# Altium PCB vf_v2.PcbDoc (part 1 of 2)
Units mil, origin at the board's own origin, x right, y up, seen from the top; angles counter-clockwise.
Board outline 5611.02 x 3251.03 mil, 2 copper layers (Top Layer, Bottom Layer); 147 components, 137 nets, 507 pads, 430 vias.
Unrouted connection lines stored in the file: 1.
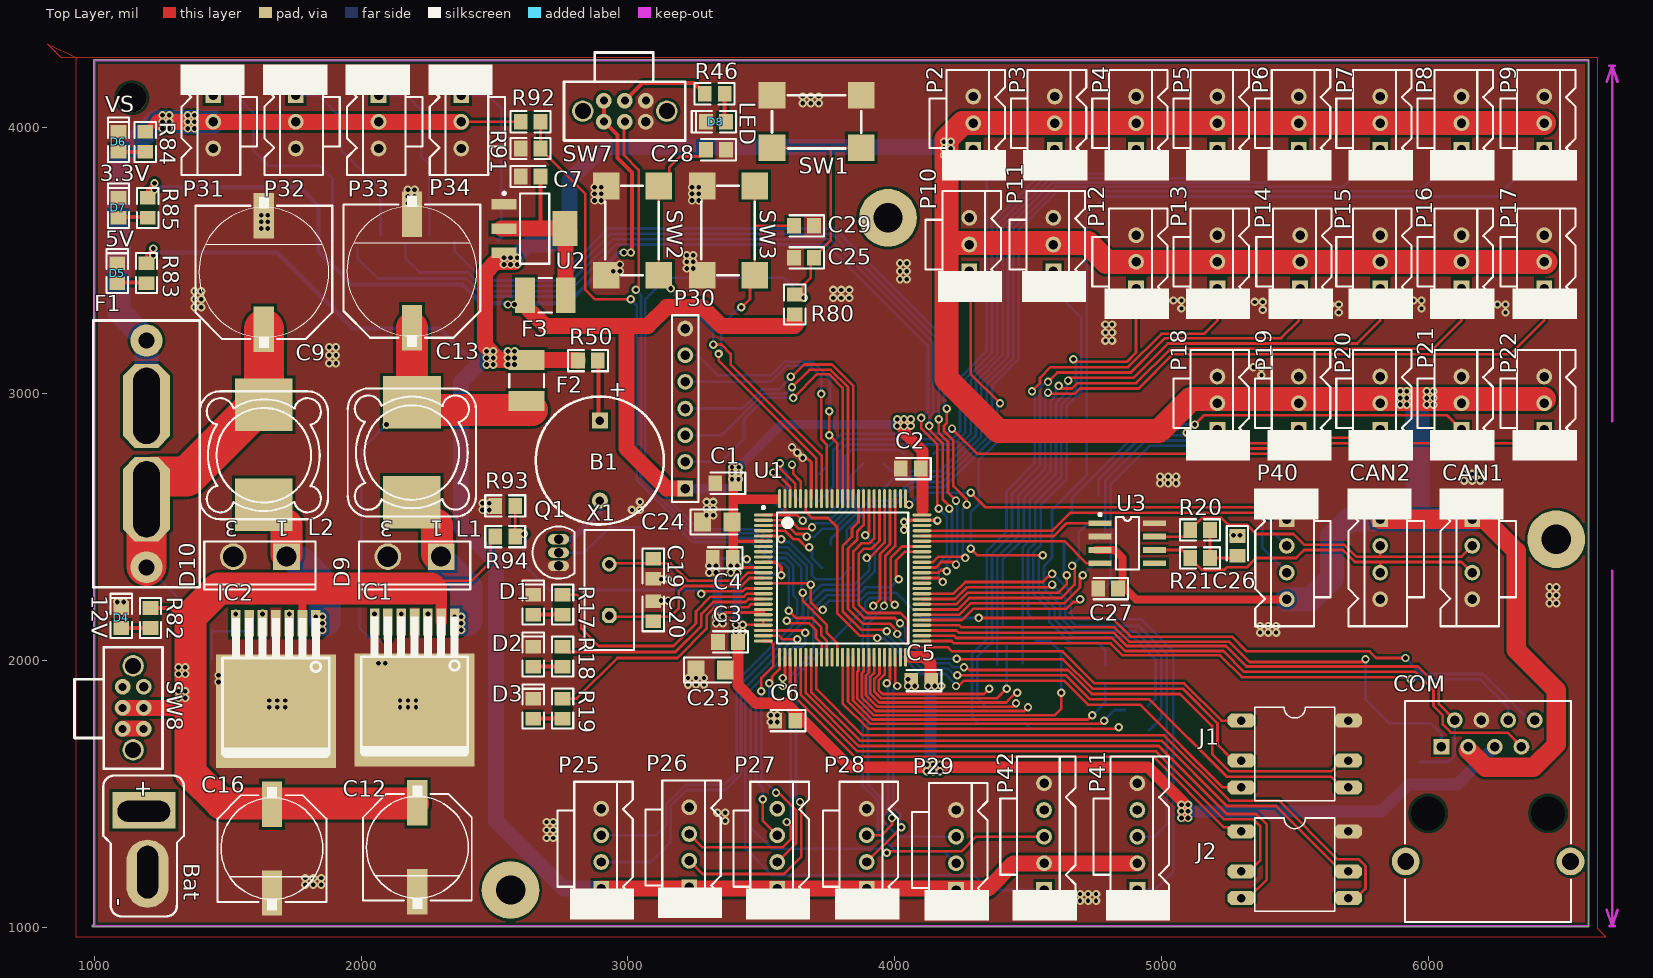
[diagram p0: Top Layer view]
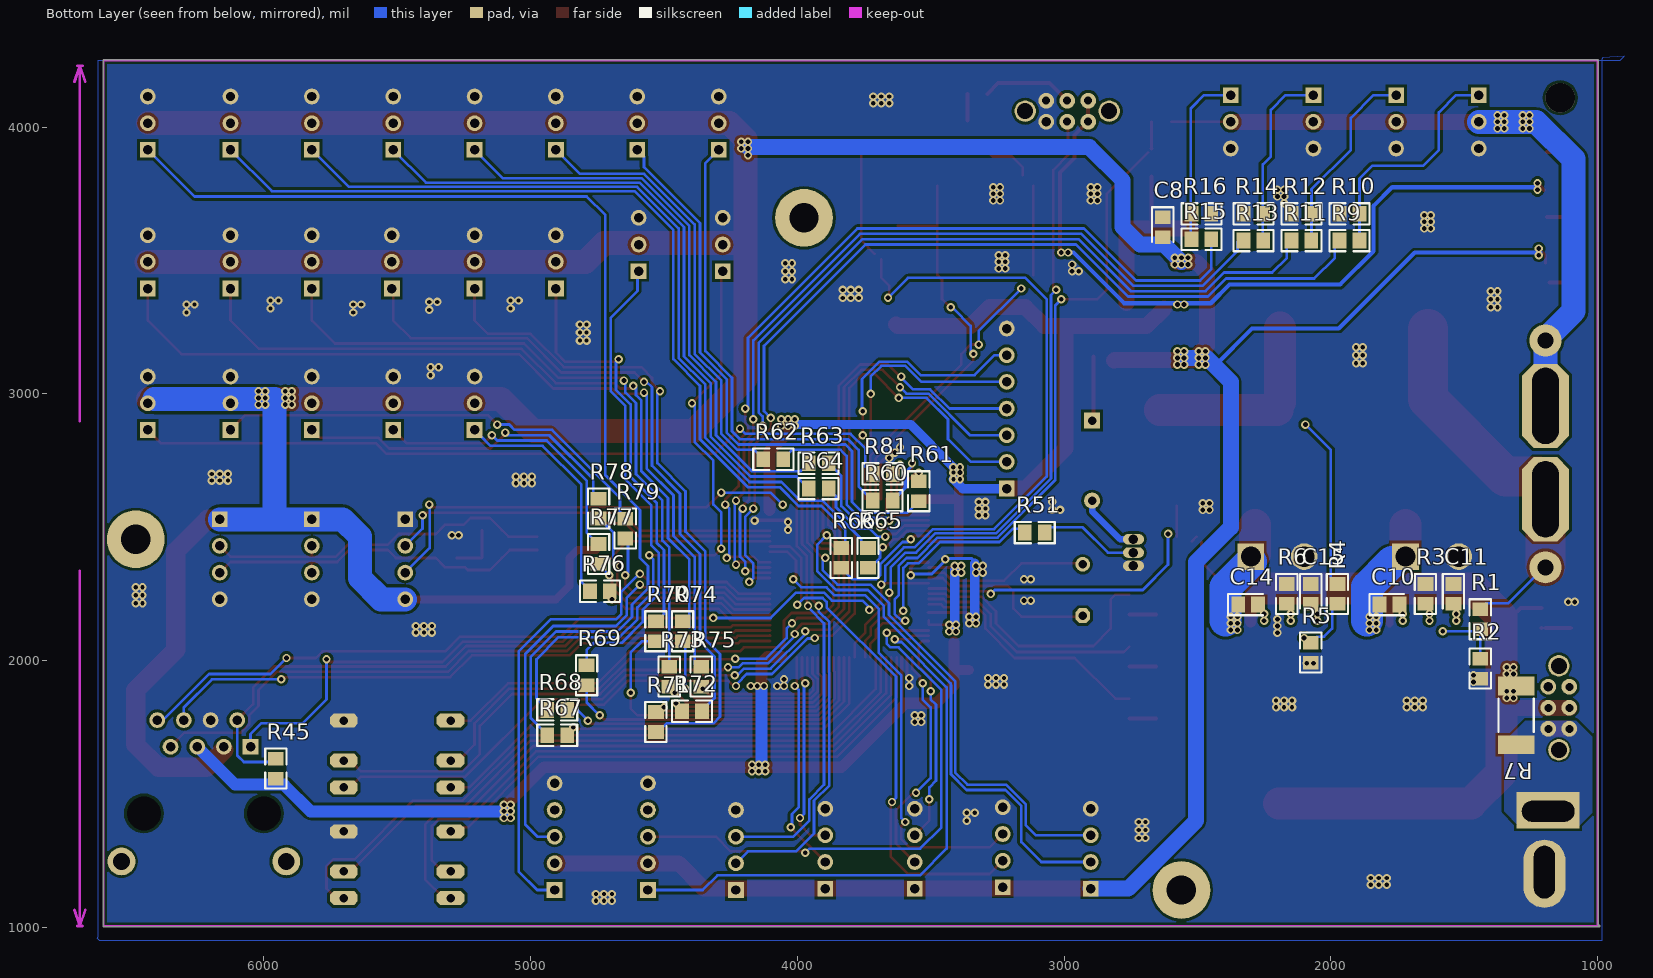
[diagram p1: Bottom Layer view, seen from below]

## Layer stack, top to bottom
Top Layer: signal copper 1.4
Dielectric: dielectric 12.6, FR-4, Dk 4.8
Bottom Layer: signal copper 1.4

## Board outline
995,1001.99 cw(c995,1005) 995,1008.01 997.73,1008.01 cw(c1000,1010) 996.99,1010 996.99,4250 cw(c1000,4250) 1000,4253.02 6600,4253.02 cw(c6600,4250) 6603.02,4250 6603.02,1005 cw(c6600,1005) 6600,1001.99

## Design rules (kind name [scope] priority, off if disabled: settings)
Clearance Clearance_1 [InNet('GND')] p1: gap=10
Clearance Clearance1 [All] p2: gap=6
ComponentClearance [All] p1 off: gap=10 collisioncheckmode=3 verticalgap=10 showdistances=FALSE
DiffPairsRouting [All] p1 off: maxlimit=10 minlimit=10 mostfreqgap=10 maxuncoupledlength=500
FanoutControl Fanout_BGA [IsBGA] p1 off: bgadir=Out bgaviamode=Centered fanoutstyle=Auto fanoutdirection=Alternating viagrid=1 // Fanout_BGA (Default Rule)
FanoutControl Fanout_LCC [IsLCC] p2 off: bgadir=Out bgaviamode=Centered fanoutstyle=Auto fanoutdirection=Alternating viagrid=1 // Fanout_LCC (Default Rule)
FanoutControl Fanout_SOIC [IsSOIC] p3 off: bgadir=Out bgaviamode=Centered fanoutstyle=Auto fanoutdirection=Alternating viagrid=1 // Fanout_SOIC (Default Rule)
FanoutControl Fanout_Small [(CompPinCount < 5)] p4 off: bgadir=Out bgaviamode=Centered fanoutstyle=Auto fanoutdirection=OutThenIn viagrid=1 // Fanout_Small (Default Rule)
FanoutControl Fanout_Default [All] p5 off: bgadir=Out bgaviamode=Centered fanoutstyle=Auto fanoutdirection=Alternating viagrid=1 // Fanout_Default (Default Rule)
Height [All] p1 off: minheight=0 maxheight=1000 prefheight=500
HoleSize [All] p1: absolutevalues=TRUE maxlimit=244.09 minlimit=11.81 maxpercent=80.000 minpercent=20.000
HoleToHoleClearance [All] p1 off: gap=10 allowstackedmicrovias=TRUE
LayerPairs [All] p1 off: enforce=TRUE
MinimumSolderMaskSliver [All] p1 off: minsoldermaskwidth=10
NetAntennae [All] p1 off: netantennaetolerance=0
PasteMaskExpansion [All] p1 off: expansion=0
PlaneClearance PlaneClearance_1 [InNet('GND')] p1: clearance=50
PlaneClearance [All] p2: clearance=20
PlaneConnect [All] p1: planeconnectstyle=Direct reliefexpansion=20 reliefentries=4 reliefconductorwidth=10 reliefairgap=10
PolygonConnect [All] p1: connectstyle=Direct reliefconductorwidth=10 reliefentries=4 polygonreliefangle="90 Angle"
RoutingCorners [All] p1 off: cornerstyle=45-Degree minsetback=100 maxsetback=100
RoutingLayers [All] p1 off: top layer_v5=TRUE bottom layer_v5=TRUE
RoutingPriority [All] p1 off: routingpriority=0
RoutingTopology [All] p1 off: topology=Shortest
RoutingVias [All] p1: holewidth=17.72 width=31.5 viastyle="Through Hole" minholewidth=17.72 minwidth=31.5 maxholewidth=17.72 maxwidth=31.5
SilkToSilkClearance [All] p1 off: silktosilkclearance=10
SilkscreenOverComponentPads SilkToSolderMaskClearance [IsPad] p1 off: minsilkscreentomaskgap=10
SolderMaskExpansion [All] p1 off: expansion=4
TestPointUsage FabricationTestPointUsage [All] p1 off: valid=0 allowmultiple=FALSE
Testpoint FabricationTestpoint [All] p1 off: side=3 testpointundercomponent=TRUE minsize=40 maxsize=100 preferedsize=60 minholesize=0 maxholesize=40 preferedholesize=32 testpointgrid=1 style=297 order=0123456789
Width [All] p1: maxlimit=99999 minlimit=10 preferedwidth=10
2 further rules are at their usual default settings.

## Components (designator, comment, footprint, x,y, rotation, side; value= is the part's Value field where it differs from the comment)
B1 "Buzzer" POL_BUZZER-12.0 2895,2750 r270 top
Bat "MOTOR" T-CONNECTOR(M) 1185,1425 r270 top
C1 "100nF" CC2012-0805 3365,2665 r180 top
C2 "100nF" CC2012-0805 4060,2720 r180 top
C3 "100nF" CC2012-0805 3375,2070 r180 top
C4 "100nF" CC2012-0805 3355,2385 r180 top
C5 "100nF" CC2012-0805 4100,1925 r180 top
C6 "100nF" CC2012-0805 3590,1775 r180 top
C7 "10uF" CC2012-0805 2635,3815 r0 top
C8 "10uF" CC2012-0805 2630,3625 r270 bottom
C9 "2200uF 6.3V" SV-H 1635,3455 r90 top
C10 "10nF" CC2012-0805 1780,2210 r180 bottom
C11 "100nF" CC2012-0805 1540,2250 r270 bottom
C12 "470uF 25V" SV-G 2210,1300 r270 top
C13 "2200uF 6.3V" SV-H 2190,3460 r90 top
C14 "10nF" CC2012-0805 2310,2210 r180 bottom
C15 "100nF" CC2012-0805 2075,2250 r270 bottom
C16 "470uF 25V" SV-G 1665,1295 r270 top
C19 "10pF" CC2012-0805 3095,2345 r270 top
C20 "10pF" CC2012-0805 3095,2185 r90 top
C23 "1uF" CC3216-1206 3310,1965 r0 top
C24 "1uF" CC3216-1206 3335,2520 r0 top
C25 "100nF" CC2012-0805 3660,3510 r180 top
C26 "33nF" CC2012-0805 5285,2430 r270 top
C27 "100nF" CC2012-0805 4800,2270 r180 top
C28 "100nF" CC2012-0805 3330,3915 r180 top
C29 "100nF" CC2012-0805 3660,3630 r180 top
CAN1 "Can" LOCKEDHDR-4 6165,2380 r270 top
CAN2 "Can" LOCKEDHDR-4 5820,2380 r270 top
COM "PS/C" JACK1.27-4H8B 6225,1020 r0 top
D1 "LED" D0805 2645,2210 r90 top
D2 "LED" D0805 2645,2015 r90 top
D3 "LED" D0805 2645,1820 r90 top
D4 "12V" D0805 1100,2160 r90 top
D5 "5V" D0805 1085,3452.6 r90 top
D6 "VS" D0805 1090,3945 r90 top
D7 "3.3V" D0805 1090,3697.6 r90 top
D8 "LED" D0805 3330,4020 r180 top
D9 "MBR745" TO-220AC 2200,2390 r180 top
D10 "MBR745" TO-220AC 1620,2390 r180 top
F1 "20A Fuse" "FUSE SOCKET" 1195,2350 r90 top
F2 "300mA Fuse" CR4532-1812 2620,3050 r90 top
F3 "300mA Fuse" CR4532-1812 2690,3370 r180 top
IC1 "LM2679" TO-263(7) 2000,2145 r90 top
IC2 "LM2679" TO-263(7) 1480,2140 r90 top
J1 "Joystick" 5D_SWITCH 5300,1775 r0 top
J2 "Joystick" 5D_SWITCH 5300,1360 r0 top
L1 "Inductor" MSS1260 2190,2780 r180 top
L2 "Inductor" MSS1260 1635,2770 r180 top
P2 "ARMP" LOCKEDHDR-3 4295,4015 r90 top
P3 "ARMP" LOCKEDHDR-3 4600,4015 r90 top
P4 "ARMP" LOCKEDHDR-3 4905,4015 r90 top
P5 "ARMP" LOCKEDHDR-3 5210,4015 r90 top
P6 "ARMP" LOCKEDHDR-3 5515,4015 r90 top
P7 "ARMP" LOCKEDHDR-3 5820,4015 r90 top
P8 "ARMP" LOCKEDHDR-3 6125,4015 r90 top
P9 "ARMP" LOCKEDHDR-3 6435,4015 r90 top
P10 "ARMP" LOCKEDHDR-3 4280,3560 r90 top
P11 "ARMP" LOCKEDHDR-3 4595,3560 r90 top
P12 "ARMP" LOCKEDHDR-3 4905,3495 r90 top
P13 "ARMP" LOCKEDHDR-3 5210,3495 r90 top
P14 "ARMP" LOCKEDHDR-3 5520,3495 r90 top
P15 "ARMP" LOCKEDHDR-3 5820,3495 r90 top
P16 "ARMP" LOCKEDHDR-3 6125,3495 r90 top
P17 "ARMP" LOCKEDHDR-3 6435,3495 r90 top
P18 "ARMP" LOCKEDHDR-3 5210,2965 r90 top
P19 "ARMP" LOCKEDHDR-3 5515,2965 r90 top
P20 "ARMP" LOCKEDHDR-3 5820,2965 r90 top
P21 "ARMP" LOCKEDHDR-3 6125,2965 r90 top
P22 "ARMP" LOCKEDHDR-3 6435,2965 r90 top
P25 "UART1" LOCKEDHDR-4 2900,1295 r90 top
P26 "UART1" LOCKEDHDR-4 3230,1300 r90 top
P27 "UART1" LOCKEDHDR-4 3560,1295 r90 top
P28 "UART1" LOCKEDHDR-4 3895,1295 r90 top
P29 "UART1" LOCKEDHDR-4 4230,1290 r90 top
P30 "LCD" HDR1X7 3215,2645 r90 top
P31 "ARMP" LOCKEDHDR-3 1445,4020 r270 top
P32 "ARMP" LOCKEDHDR-3 1755,4020 r270 top
P33 "ARMP" LOCKEDHDR-3 2065,4020 r270 top
P34 "ARMP" LOCKEDHDR-3 2375,4020 r270 top
P40 "SWD" LOCKEDHDR-4 5470,2380 r270 top
P41 "ENCODER" lockedHDR-5 4910,1340 r90 top
P42 "ENCODER" lockedHDR-5 4560,1340 r90 top
Q1 "2N3904" BCY-W3/E4 2740,2405 r0 top
R1 "4k7" CR2012-0805 1440,2155 r90 bottom
R2 "1k5" CR2012-0805 1440,1970 r90 bottom
R3 "4.7k" CR2012-0805 1645,2250 r270 bottom
R4 "4k7" CR2012-0805 1975,2250 r90 bottom
R5 "1k5" CR2012-0805 2075,2030 r90 bottom
R6 "4.7k" CR2012-0805 2165,2250 r270 bottom
R7 "0R" CR6332-2512 1305,1795 r270 bottom
R9 "56R" CR2012-0805 1930,3575 r0 bottom
R10 "10k" CR2012-0805 1930,3675 r180 bottom
R11 "56R" CR2012-0805 2110,3575 r0 bottom
R12 "10k" CR2012-0805 2110,3675 r180 bottom
R13 "56R" CR2012-0805 2290,3575 r0 bottom
R14 "10k" CR2012-0805 2290,3675 r180 bottom
R15 "56R" CR2012-0805 2485,3580 r180 bottom
R16 "10k" CR2012-0805 2485,3675 r0 bottom
R17 "1k" CR2012-0805 2755,2210 r270 top
R18 "1k" CR2012-0805 2755,2015 r270 top
R19 "1k" CR2012-0805 2755,1820 r270 top
R20 "56R" CR2012-0805 5145,2490 r180 top
R21 "56R" CR2012-0805 5145,2385 r180 top
R45 "10k" CR2012-0805 5955,1595 r90 bottom
R46 "1k" CR2012-0805 3325,4125 r0 top
R50 "33R" CR2012-0805 2850,3125 r180 top
R51 "10k" CR2012-0805 3110,2480 r0 bottom
R60 "56R" CR2012-0805 3680,2600 r0 bottom
R61 "56R" CR2012-0805 3545,2635 r270 bottom
R62 "56R" CR2012-0805 4090,2755 r0 bottom
R63 "56R" CR2012-0805 3920,2740 r0 bottom
R64 "56R" CR2012-0805 3920,2645 r0 bottom
R65 "56R" CR2012-0805 3735,2385 r90 bottom
R66 "56R" CR2012-0805 3835,2385 r90 bottom
R67 "56R" CR2012-0805 4900,1720 r0 bottom
R68 "56R" CR2012-0805 4900,1815 r0 bottom
R69 "56R" CR2012-0805 4790,1945 r90 bottom
R70 "56R" CR2012-0805 4530,2110 r90 bottom
R71 "56R" CR2012-0805 4530,1770 r270 bottom
R72 "56R" CR2012-0805 4395,1810 r180 bottom
R73 "56R" CR2012-0805 4480,1940 r90 bottom
R74 "56R" CR2012-0805 4430,2110 r90 bottom
R75 "56R" CR2012-0805 4360,1940 r90 bottom
R76 "56R" CR2012-0805 4740,2260 r0 bottom
R77 "56R" CR2012-0805 4745,2400 r90 bottom
R78 "56R" CR2012-0805 4745,2570 r90 bottom
R79 "56R" CR2012-0805 4645,2495 r90 bottom
R80 "4k7" CR2012-0805 3625,3335 r90 top
R81 "56R" CR2012-0805 3680,2700 r0 bottom
R82 "4.7k" CR2012-0805 1210,2160 r270 top
R83 "4.7k" CR2012-0805 1195,3452.6 r270 top
R84 "4.7k" CR2012-0805 1190,3945 r270 top
R85 "4.7k" CR2012-0805 1200,3697.6 r270 top
R91 "2" CR2012-0805 2635,3920 r180 top
R92 "1" CR2012-0805 2635,4020 r0 top
R93 "1k5" CR2012-0805 2540,2580 r180 top
R94 "4k7" CR2012-0805 2540,2465 r0 top
SW1 "RESET" "PUSH SWITCH" 3875,4120 r180 top
SW2 "BUT_1" "PUSH SWITCH" 3115,3445 r90 top
SW3 "BUT_2" "PUSH SWITCH" 3475,3445 r90 top
SW7 "BOOT1" "POWER SWITCH" 3185,4060 r180 top
SW8 "BOOT1" "POWER SWITCH" 1145,2020 r270 top
U1 "STM32" LQFP100_N 3805,2310 r0 top locked
U2 "LM1117MP-3.3" MP04A_N 2650,3620 r0 top
U3 "DJA1050" SO-8 4770,2515 r270 top
X1 "8MHz" BCY-W2/E4.7 2930,2265 r90 top

## Footprints (in the part's own frame and the unit in brackets; to place one, negate y for a bottom-side part, rotate by r counter-clockwise, add the part's x,y. Pads: shape width x height; smd on the part's side, far side on the other; paste and mask are expansions set on the pad)
5D_SWITCH [mil] "5-Directional Tact Switch"
  oct 104x52 hole 32: 1(0,0) 2(0,-150) 3(0,-250) 4(400,-250) 5(400,-150) 6(400,0)
  silkscreen extent 50,-300 350,50
BCY-W2/E4.7 [mm]
  oct 1.4x1.4 hole 0.8: 1(-2.44,-0.002)
  round 1.4 hole 0.8: 2(2.44,-0.002)
  silkscreen extent -5.7,-2.35 5.7,2.35, body extent -5.67,-2.32 5.68,2.33, height 3.6
BCY-W3/E4 [mm]
  oval 2x1 hole 0.9: 1(-0.003,-1.27) 2(-0.003,0) 3(-0.003,1.27)
  silkscreen extent -2.48,-2.48 1.5,2.48, body extent -2.41,-2.38 1.59,2.41, height 5.19
CC2012-0805 [mm] "Chip Capacitor; Body 2.0 x 1.2 mm (LxW typ)"
  rect 1.3x1.5 smd: 1(-0.95,0) 2(0.95,0)
  silkscreen extent -1.91,-1.02 1.4,1.02, body extent -1,-0.64 1,0.62, height 0.78
CC3216-1206 [mm] "Chip Capacitor; Body 3.2 x 1.6 mm (LxW typ)"
  rect 1.6x1.8 smd: 1(-1.4,0) 2(1.4,0)
  silkscreen extent -2.54,-1.19 1.93,1.19, body extent -1.63,-0.84 1.57,0.76, height 1
CR2012-0805 [mm] "Chip Resistor; Body 2.0 x 1.3 mm (LxW typ)"
  rect 1.3x1.5 smd: 1(-0.95,0) 2(0.95,0)
  silkscreen extent -1.91,-1.02 1.91,1.02, body extent -1,-0.62 1,0.64, height 0.78
CR4532-1812 [mm] "Chip Resistor; Body 3.2 x 2.5 mm (LxW typ)"
  rect 1.9x3.4 smd: 1(-1.95,0) 2(1.95,0)
  silkscreen extent -0.64,-1.65 0.64,1.65
CR6332-2512 [mm] "Chip Resistor; Body 6.3 x 3.2 mm (LxW typ)"
  rect 1.8x3.5 smd: 1(-2.8,0) 2(2.8,0)
  silkscreen extent -1.6,-1.68 1.6,1.68, body extent -3.2,-1.6 3.2,1.6, height 0.58
D0805 [mm]
  rect 1.3x1.5 smd: 1(-0.95,0) 2(0.95,0)
  silkscreen extent -1.91,-1.02 2.3,1.02, body extent -0.98,-0.49 1.02,0.51, height 0.48
"FUSE SOCKET" [mil]
  round 120 hole 60: 1(0,0) 2(850,0)
  oct 314.96x177.17 hole 98.43 slot 285.43 at 0 deg: 1(255,0) 2(605,0)
  silkscreen extent -75,-200 925,200, body extent 120,-66 739,128, height 664
HDR1X7 [mm] "Connector; Header; 7 Position"
  rect 1.5x1.5 hole 0.9: 1(0,0)
  round 1.5 hole 0.9: 2(2.54,0) 3(5.08,0) 4(7.62,0) 5(10.16,0) 6(12.7,0) 7(15.24,0)
  silkscreen extent -1.27,-1.27 16.51,1.27
JACK1.27-4H8B [mm]
  rect 1.5x1.5 hole 0.9: 1(-4.45,16.69)
  round 1.5 hole 0.9: 2(-3.18,19.23) 3(-1.91,16.69) 4(-0.64,19.23) 5(0.63,16.69) 6(1.9,19.23) 7(3.17,16.69) 8(4.44,19.23)
  round 2.65 hole 1.6: MH1(-7.853,5.768) MH2(7.844,5.768)
  round 2.95 hole 3.25: MH3(-5.72,10.34) MH4(5.71,10.34)
  silkscreen extent -7.9,0 7.9,21.06
LOCKEDHDR-3 [mm] "3-pin header with lock"
  rect 1.5x1.5 hole 0.9: 1(-2.54,0)
  round 1.5 hole 0.9: 2(0,0) 3(2.54,0)
  silkscreen extent -5.46,-3.13 5.08,4.18, body extent -5,-2.59 5,4.41, height 11.5
LOCKEDHDR-4 [mm] "5-pin header with lock"
  rect 1.5x1.5 hole 0.9: 1(-3.81,0)
  round 1.5 hole 0.9: 2(-1.27,0) 3(1.27,0) 4(3.81,0)
  silkscreen extent -6.73,-3.13 6.37,4.18, body extent -6.3,-2.63 6.3,4.37, height 1.55
lockedHDR-5 [mm] "5-pin header with lock"
  rect 1.5x1.5 hole 0.9: 1(-5.08,0)
  round 1.5 hole 0.9: 2(-2.54,0) 3(0,0) 4(2.54,0) 5(5.08,0)
  silkscreen extent -8,-3.12 7.62,4.18, body extent -7.55,-4.41 7.55,2.59, height 11.5
LQFP100_N [mm] "Thin QFP, 100-Leads, Body 14x14mm, Pitch 0.5mm, IPC Medium Density"
  oval 1.8x0.3 smd: 1(-7.55,6) 2(-7.55,5.5) 3(-7.55,5) 4(-7.55,4.5) 5(-7.55,4) 6(-7.55,3.5) 7(-7.55,3) 8(-7.55,2.5) 9(-7.55,2) 10(-7.55,1.5) 11(-7.55,1) 12(-7.55,0.5) 13(-7.55,0) 14(-7.55,-0.5) 15(-7.55,-1) 16(-7.55,-1.5) 17(-7.55,-2) 18(-7.55,-2.5) 19(-7.55,-3) 20(-7.55,-3.5) 21(-7.55,-4) 22(-7.55,-4.5) 23(-7.55,-5) 24(-7.55,-5.5) 25(-7.55,-6) 51(7.55,-6) 52(7.55,-5.5) 53(7.55,-5) 54(7.55,-4.5) 55(7.55,-4) 56(7.55,-3.5) 57(7.55,-3) 58(7.55,-2.5) 59(7.55,-2) 60(7.55,-1.5) 61(7.55,-1) 62(7.55,-0.5) 63(7.55,0) 64(7.55,0.5) 65(7.55,1) 66(7.55,1.5) 67(7.55,2) 68(7.55,2.5) 69(7.55,3) 70(7.55,3.5) 71(7.55,4) 72(7.55,4.5) 73(7.55,5) 74(7.55,5.5) 75(7.55,6)
  oval 0.3x1.8 smd: 26(-6,-7.55) 27(-5.5,-7.55) 28(-5,-7.55) 29(-4.5,-7.55) 30(-4,-7.55) 31(-3.5,-7.55) 32(-3,-7.55) 33(-2.5,-7.55) 34(-2,-7.55) 35(-1.5,-7.55) 36(-1,-7.55) 37(-0.5,-7.55) 38(0,-7.55) 39(0.5,-7.55) 40(1,-7.55) 41(1.5,-7.55) 42(2,-7.55) 43(2.5,-7.55) 44(3,-7.55) 45(3.5,-7.55) 46(4,-7.55) 47(4.5,-7.55) 48(5,-7.55) 49(5.5,-7.55) 50(6,-7.55) 76(6,7.55) 77(5.5,7.55) 78(5,7.55) 79(4.5,7.55) 80(4,7.55) 81(3.5,7.55) 82(3,7.55) 83(2.5,7.55) 84(2,7.55) 85(1.5,7.55) 86(1,7.55) 87(0.5,7.55) 88(0,7.55) 89(-0.5,7.55) 90(-1,7.55) 91(-1.5,7.55) 92(-2,7.55) 93(-2.5,7.55) 94(-3,7.55) 95(-3.5,7.55) 96(-4,7.55) 97(-4.5,7.55) 98(-5,7.55) 99(-5.5,7.55) 100(-6,7.55)
  silkscreen extent -7.67,-6.25 6.25,6.82, body extent -7,-7 7,7, height 1.6
MP04A_N [mm] "SOT223, 4-Leads, Body 6.5x3.5mm, Pitch 2.3mm, Lead Span 7mm, IPC Medium Density"
  rect 2.4x1 smd: 1(-2.9,2.3) 2(-2.9,0) 3(-2.9,-2.3)
  rect 2.4x3.3 smd: 4(2.9,0)
  silkscreen extent -3.02,-3.35 1.4,3.47, body extent -1.85,-3.35 1.85,3.35, height 1.8
MSS1260 [mm]
  rect 5.5x5 smd: 1(0.004,4.724) 2(0,-4.801)
  silkscreen extent -6.1,-6.1 6.1,6.1, body extent -6.22,-6.25 6.28,6.25, height 7.5
POL_BUZZER-12.0 [mil]
  rect 60x60 hole 31.5: 1(-150,0)
  round 60 hole 31.5: 2(150,0)
  silkscreen extent -240,-240 240,239
"POWER SWITCH" [mm]
  round 2.032 hole 1.524: 0(1,0) 0(9,0)
  round 1.5 hole 0.762: 1(3,-1) 3(5,-1) 4(5,1) 5(7,-1) 6(7,1)
  round 1.5 hole 0.9: 2(3,1)
  silkscreen extent -0.76,-5.59 10.79,2.79
"PUSH SWITCH" [mm]
  rect 2.54x2.54 smd: 1(0,0) 1(8.5,0) 2(0,5) 2(8.5,5)
  silkscreen extent 0,0 8.51,5.08, body extent -0.68,-0.46 9.32,5.54, height 5.07
SO-8 [mm]
  rect 0.55x2.2 smd: 1(0,0) 2(1.27,0) 3(2.54,0) 4(3.81,0) 5(3.81,5.2) 6(2.54,5.2) 7(1.27,5.2) 8(0,5.2)
  silkscreen extent -0.95,-0.12 4.4,3.7
SV-G [mil]
  rect 170x76 smd: 1(-166.52,0.43) 2(165.96,0.43)
  silkscreen extent -232,-203 231,204, body extent -226,-202 230,204, height 402
SV-H [mil]
  rect 170x76 smd: 1(-212,0) 2(213,0)
  silkscreen extent -284,-256 284,256, body extent -275,-265 268,266, height 532
T-CONNECTOR(M) [mm]
  rect 3.5x6 hole 2 slot 5 at 90 deg copper offset -0.1,0: 1(-0.254,0)
  oval 6.5x4 hole 2 slot 5 at 0 deg copper offset 0.15,0: 2(5.537,0.356)
  silkscreen extent -3.66,-3.86 9.75,3.81, body extent -3.65,-3.94 9.85,3.86, height 15.18
TO-220AC [mm]
  rect 2.54x2.54 hole 1.905: 1(-2.54,0)
  round 2.54 hole 1.935: 3(2.54,0)
  silkscreen extent -5.3,-1.45 5.3,3.15, body extent -4.83,-2.22 4.83,2.28, height 18.36
TO-263(7) [mil]
  rect 425x450 smd: 0(-330,-200)
  rect 100x36 smd: 1(0,-350) 2(0,-300) 3(0,-250) 4(0,-200) 5(0,-150) 6(0,-100) 7(0,-50)
  silkscreen extent -500,-400 20,0

## Part data
Bat: library part "Header 2", "Header, 2-Pin"
C1 C2 C3 C4 C5 C6 C7 C8 C10 C11 C14 C15 C19 C20 C23 C24 C25 C26 C27 C28 C29: library part "Cap Semi", "Capacitor (Semiconductor SIM Model)"
C9 C12 C13 C16: library part "Cap Pol2", "Polarized Capacitor (Axial)"
CAN1 CAN2 P25 P26 P27 P28 P29 P40: library part "Header 4", "Header, 4-Pin"
COM: library part LAN, "Header, 4-Pin, Dual row"
D1 D2 D3 D8: "Typical RED GaAs LED"
D4 D5 D6 D7: library part LED, "Typical RED GaAs LED"
D9 D10: library part "D Schottky", "Schottky Diode"
F1 F2 F3: library part Fuse, "Fuse"
IC1 IC2: "5A Step-Down Switching Mode Voltage Regulator"
P2 P3 P4 P5 P6 P7 P8 P9 P10 P11 P12 P13 P14 P15 P16 P17 P18 P19 P20 P21 P22 P31 P32 P33 P34: library part "Header 3", "Header, 3-Pin"
P30: library part "Header 7", "Header, 7-Pin"
P41 P42: library part "Header 5", "Header, 5-Pin"
Q1: "NPN General Purpose Amplifier"
R1 R2 R3 R4 R5 R6 R7 R9 R10 R11 R12 R13 R14 R15 R16 R17 R18 R19 R20 R21 R45 R46 R50 R51 R60 R61 R62 R63 R64 R65 R66 R67 R68 R69 R70 R71 R72 R73 R74 R75 R76 R77 R78 R79 R80 R81 R82 R83 R84 R85 R91 R92 R93 R94: library part "Res Semi", "Semiconductor Resistor"
SW1 SW2 SW3: library part SW-SPST, "Single-Pole, Single-Throw Switch"
SW7 SW8: library part "Header 3X2", "Header, 3-Pin, Dual row"
U1: library part Component_1
U2: "800mA Low-Dropout Linear Regulator"
X1: library part XTAL, "Crystal Oscillator"

## Free pads (board coordinates)
  round 110.24 hole 110.24: 0(1140,4110)
  round 216.54 hole 110.24: 0(3975,3660) 2(2560,1140) 3(6480,2455)

## Via types
v1: diameter 31.5, hole 17.72, Top Layer to Bottom Layer, 291 vias
v2: diameter 31.5, hole 15.75, Top Layer to Bottom Layer, 71 vias
v3: diameter 31.5, hole 15.75, Top Layer to Bottom Layer, tented both sides, 66 vias
v4: diameter 31.5, hole 17.72, Top Layer to Bottom Layer, tented both sides, 2 vias

## Nets (pads, with @x,y where several pads share a name; then routed paths per layer and width w, separated by ;. In a path a pad name is that pad's centre, name@x,y a point inside that pad or via, vN(x,y) a via of type N, cw(c..) or ccw(c..) an arc to the next point about the centre after c; other vN are vias at no path point)
3.3V: C1.1 C2.1 C3.1 C4.1 C5.1 C6.1 C23.2 C24.2 COM.5 F3.2 P30.1 R45.1 R80.1 R85.1 SW7.5 SW7.6 U1.6 U1.11 U1.21 U1.22 U1.28 U1.50 U1.75 U1.100 | length 10846.6
  Top Layer w10: v1@3394.06,2134.06 3507.76,2134.06 U1.21@3507.76,2151.3
  Top Layer w12: 3395,2447.8 U1.6@3507.76,2447.8 ; v1@3400,2349.37 U1.11@3507.76,2349.37 ; 3608.15,1840 U1.28@3608.15,2012.76
  Top Layer w15: 1200,3765 v1(1225,3790) ; SW7.6@2909.41,4020.63 2960,3970 2960,3885 3015,3830 v1@3015,3520 ; SW7.6@2909.41,4020.63 SW7.5@2909.41,4099.37
  Top Layer w35: C4.1@3395,2400 3395,2447.8 3395,2605 ; v4@3395,2715 3395,2605 ; 3555,2605 3395,2605
  Top Layer w36: C23.2@3355.12,1965 3412.4,1965
  Top Layer w42: C3.1@3412.4,2070 3412.4,1965 3412.4,1907.6 3480,1840 3595,1840 3835,1600 4950,1600
  Top Layer w45: 4037.5,2852.5 4105,2785 4105,2565 ; 4060,2012.76 4112.24,2012.76 4135,1990 C5.1@4135,1925 ; 4950,1600 5085,1465 v1@5085,1420
  Top Layer w50: 4035,2855 v1(4035,2880)
  Top Layer w60: F3.2@2625,3320 2690,3255 2995,3255 ; P30.1@3215,2645 3145,2645 2995,2795 2995,3255 ; 3630,3260 3625,3255 3350,3255 3280,3325 3145,3325 3075,3255 2995,3255
  Bottom Layer w15: 2775,3340 2965,3530 v1(2985,3530)
  Bottom Layer w16: v1@1230,3775 1770,3775 1840,3705 1840,3535 1965,3410 2380,3410 2450,3340 2775,3340
  Bottom Layer w35: P30.1@3215,2645 3380,2645 v2(3415,2680) ; v1(3415,2725) 3575,2885 v1@4010,2885
  Bottom Layer w36: v1@3410,2130 v1@3410,2340
  Bottom Layer w45: v1@4135,1595 4135,1890 ; v1(5100,1435) 5825,1435 5925,1535 6107.72,1535 COM.5@6249.81,1677.09
  other v1: 5075,1410 5100,1410 5075,1435 5075,1460 5100,1460 4120,1585 4145,1585 4170,1585 4120,1610 4145,1610 4170,1610 4125,1905 4150,1905 4175,1905 3405,2109.06 3430,2109.06 3405,2134.06 3430,2134.06 3385,2330 3410,2330 3385,2355 3410,2355 4010,2880 4060,2905 2550,3335 2575,3335 3010,3530 1225,3765
  other v2: 3390,2680 3415,2705 3390,2725 4060,2880 4010,2905 4035,2905
  other v4: 3390,2705
5V: C8.2 C27.1 CAN1.1 CAN2.1 COM.3 F2.2 P2.2 P3.2 P4.2 P5.2 P6.2 P7.2 P8.2 P9.2 P10.2 P11.2 P12.2 P13.2 P14.2 P15.2 P16.2 P17.2 P18.2 P19.2 P20.2 P21.2 P22.2 P25.1 P26.1 P27.1 P28.1 P29.1 P40.4 P41.2 P42.2 R50.2 R83.1 U2.3 U3.3 | length 20822.8
  Top Layer w10: R83.1@1195,3490 1195,3520 v1(1220,3545)
  Top Layer w30: P29.1@4225,1145 P29.1@4230,1140 ; U3.3@4755,2415 U3.3@4770,2415 4825,2415 4855,2385 4855,2280 4905,2230 P40.4@5470,2230
  Top Layer w60: v1@2575,3495 2505,3495 2465,3455 2465,3180 2518.23,3126.77 F2.2@2620,3126.77 2810.83,3126.77 R50.2@2812.6,3125 ; P25.1@2900,1145 4350,1145 4445,1240 P41.2@4910,1240 ; P22.2@6435,2985 P22.2@6445,2975
  Top Layer w72: CAN2.1@5820,2530 CAN1.1@6165,2530 6210,2530 6330,2410 6330,2040 6480,1890 6480,1685 6395,1600 6215,1600 COM.3@6150,1665
  Top Layer w90: P22.2@6435,2980 5110,2980 4990,2860 4390,2860 4195,3055 4195,3565 ; P9.2@6435,4015 P2.2@4295,4015 4255,4015 4195,3955 4195,3565 ; P17.2@6440,3495 P17.2@6435,3495 P16.2@6125,3495 P15.2@5820,3495 P14.2@5520,3495 P13.2@5210,3495 P12.2@4905,3495 4795,3495 4725,3565 4195,3565
  Bottom Layer w16: v1@1215,3530 1685,3530 1970,3245 2295,3245 2435,3105
  Bottom Layer w60: v1(2550,3135) 2465,3135 2435,3105 2375,3045 2375,2500 2505,2370 2505,1400 2760,1145 P25.1@2900,1145 ; v1@2560,3495 2625,3560 2715,3560 2780,3625 2780,3800 2905,3925 v1@4185,3925
  Bottom Layer w90: P40.4@5470,2230 5560,2230 5640,2310 5640,2465 5705,2530 CAN2.1@5820,2530 CAN1.1@6165,2530 ; 5960,2540 5960,2980 P22.2@6410,2980
  other v1: 5895,2960 5920,2960 5995,2960 6020,2960 5895,2985 5920,2985 5995,2985 6020,2985 5895,3010 5920,3010 5995,3010 6020,3010 2470,3110 2495,3110 2550,3110 2575,3110 2470,3135 2495,3135 2575,3135 2470,3160 2495,3160 2550,3160 2575,3160 2535,3485 2560,3485 2585,3485 2535,3510 2560,3510 2585,3510 1220,3520 4185,3895 4185,3920 4210,3920 4185,3945 4210,3945
12V: C12.1 C16.1 IC1.2 IC2.2 R7.1 R82.1 R94.1 SW8.3 SW8.4 | length 3342.5
  Top Layer w10: 2290,2300 2415,2300 2485,2370 R94.1@2485,2445 ; R94.1@2502.6,2465 R94.1@2520,2447.6
  Top Layer w16: R82.1@1210,2197.4 1287.6,2197.4 1320,2165
  Top Layer w30: IC2.2@1780,2140 1780,2265
  Top Layer w42: IC1.2@2300,2145 2300,2280
  Top Layer w60: SW8.3@1105.63,1823.15 SW8.4@1184.37,1823.15 1330,1823.15
  Top Layer w120: C12.1@2195,1465 1475,1465 1360,1580 1360,2165 1465,2270 2260,2270
  other v1: 1315,1860 1340,1860 1315,1885 1340,1885 1315,1950 1340,1950 1315,1975 1340,1975
A: P42.3 U1.23 | length 2157.3
  Top Layer w10: U1.23@3507.76,2113.15 3661.85,2113.15 v1@3675,2100 ; v1@3970,1285 4250,1285 4305,1340 P42.3@4550,1340
  Bottom Layer w10: v1(3665,2105) 3665,2065 3650,2050 3620,2050 3460,1890 3460,1375 3540,1295 3955,1295 v1(3970,1280)
B: P42.1 U1.24 | length 2177.4
  Top Layer w10: U1.24@3507.76,2093.46 3566.54,2093.46 3580,2080 v1(3635,2080)
  Bottom Layer w10: v1@3635,2070 3610,2070 3440,1900 3440,1295 3540,1195 4300,1195 4355,1140 P42.1@4550,1140
BOOT1: SW7.4 U1.37 | length 2494.2
  Top Layer w10: SW7.4@2985,4017.48 2985,3895 3040,3840 3040,3400 v1(3030,3390) ; v1(3655,2255) 3655,2225 3745,2135 3745,2105 3785.32,2064.68 U1.37@3785.32,2012.76
  Bottom Layer w10: v1(3030,3390) 3049,3371 3049,2683.37 3255.37,2477 3483,2477 3555,2405 3595,2405 3650,2350 v1@3650,2260
BUTTON_1: C28.2 SW2.1 U1.92 | length 1569.4
  Top Layer w10: SW2.1@3115,3445 SW2.1@3115,3779.65 ; SW2.1@3155,3819.65 3155,3850 3195,3890 3267.6,3890 C28.2@3292.6,3915 ; v1(3320,3185) 3350,3185 3385,3150 3385,3110 3726.26,2768.74 U1.92@3726.26,2607.24
  Bottom Layer w10: v1(3160,3395) 3320,3235 v1(3320,3185)
BUTTON_2: C29.2 SW3.1 U1.93 | length 1520.1
  Top Layer w10: v2(3340,3150) 3340,3125 3706.57,2758.43 U1.93@3706.57,2607.24 ; v1(3425,3325) 3427.6,3325 3457.6,3355 3457.6,3427.6 SW3.1@3475,3445 SW3.1@3475,3779.65 ; 3475,3630 C29.2@3622.6,3630
  Bottom Layer w10: v2(3340,3150) 3350,3160 3350,3255 v1@3415,3320
BUZZER: R51.2 U1.35 | length 937.9
  Top Layer w10: v1(3602.5,2187.5) 3630,2160 3690,2160 3725,2125 3725,2095 3745.94,2074.06 U1.35@3745.94,2012.76
  Bottom Layer w10: R51.2@3155,2495 3192.12,2495 3242.12,2445 3465,2445 3545,2365 3585,2365 3602.5,2347.5 v1(3602.5,2187.5)
CAN_RX: U1.70 U3.4 | length 702.1
  Top Layer w10: U1.70@4102.24,2447.8 4637.2,2447.8 4720,2365 U3.4@4770,2365
CAN_TX: U1.71 U3.1 | length 687.4
  Top Layer w10: U1.71@4102.24,2467.48 4597.48,2467.48 4645,2515 U3.1@4770,2515
CANH: CAN1.2 CAN2.2 R20.2 U3.7 | length 1335.9
  Top Layer w10: U3.7@4974.72,2465 5082.6,2465 R20.2@5107.6,2490 5152.6,2535 5225,2535 5250,2510 5320,2510 5355,2475 5495,2475 5535,2435 5685,2435 5730,2390 5820,2390 ; CAN2.2@5820,2430 5820,2390 ; CAN1.2@6165,2430 6125,2390 5820,2390
CANL: CAN1.3 CAN2.3 R21.2 U3.6 | length 1327.6
  Top Layer w10: U3.6@4974.72,2415 5077.6,2415 R21.2@5107.6,2385 5152.6,2340 5235,2340 5245,2350 5320,2350 5355,2385 5505,2385 5535,2415 5680,2415 5725,2370 5820,2370 ; CAN2.3@5820,2330 5820,2370 ; CAN1.3@6165,2330 6125,2370 5820,2370
GND: Bat.2 C1.2 C2.2 C3.2 C4.2 C5.2 C6.2 C7.1 C8.1 C9.2 C11.1 C12.2 C13.2 C15.1 C16.2 C19.2 C20.2 C23.1 C24.1 C25.2 C26.1 C27.2 C28.1 C29.1 CAN1.4 CAN2.4 COM.4 D1.2 D2.2 D3.2 D4.2 D5.2 D6.2 D7.2 D8.2 D9.3 D10.3 IC1.0 IC1.4 IC2.0 IC2.4 J1.6 J2.6 P2.3 P3.3 P4.3 P5.3 P6.3 P7.3 P8.3 P9.3 P10.3 P11.3 P12.3 P13.3 P14.3 P15.3 P16.3 P17.3 P18.3 P19.3 P20.3 P21.3 P22.3 P25.4 P26.4 P27.4 P28.4 P29.4 P30.7 P31.3 P32.3 P33.3 P34.3 P40.1 P41.5 P42.5 Q1.1 R2.1 R3.1 R5.1 R6.1 R10.1 R12.1 R14.1 R16.1 R91.2 R93.2 SW1.1 SW2.2 SW3.2 SW7.1 SW7.2 U1.10 U1.19 U1.20 U1.27 U1.49 U1.74 U1.94 U1.99 U2.1 U3.2 U3.8 | length 1153.8
  Top Layer w12: v1@3335,2150 3365,2180 3510,2180 ; U1.10@3507.76,2369.06 3555.94,2369.06 3575,2350 v1(3575,2320) ; v1@3588.46,1943.46 U1.27@3588.46,2012.76 ; v1@3665,2765 3686.89,2743.11 U1.94@3686.89,2607.24 ; v2(4035,2490) v2(4035,2520) 4041.54,2526.54 U1.74@4102.24,2526.54 v2@4158.46,2526.54
  Bottom Layer w12: 3345,2382.75 3437.25,2382.75 3495,2325 v1@3575,2325
  Bottom Layer w36: v1@3335,2150 v1@3335,2365
  other v1: 3535,1770 3560,1770 3535,1795 3560,1795 3580,1905 4050,1905 4075,1905 1465,1920 4050,1930 3580,1935 1465,1945 2065,1990 2090,1990 2200,2105 2200,2130 3330,2140 3355,2140 2200,2155 3330,2165 3355,2165 1085,2220 1110,2220 3125,2225 3125,2305 3150,2305 3305,2330 3330,2330 3305,2355 3330,2355 3445,2380 5270,2470 5295,2470 2455,2565 2480,2565 2455,2590 2480,2590 3655,2760 3635,2780 3615,2800 2945,3460 2970,3460 3220,3470 3245,3470 2970,3485 3220,3495 3245,3495 3220,3520 3245,3520 1625,3620 1650,3620 1625,3645 1650,3645 1625,3670 1650,3670 2175,3715 2875,3725 2900,3725 3240,3725 3265,3725 2175,3740 2200,3740 2875,3750 2900,3750 3240,3750 3265,3750 2175,3765 2200,3765 2875,3775 2900,3775 3240,3775 3265,3775
  other v2: 4695,1100 4725,1100 4755,1100 4695,1125 4725,1125 4755,1125 1790,1160 1820,1160 1850,1160 1790,1185 1820,1185 1850,1185 2695,1335 2720,1335 2695,1365 2720,1365 2695,1395 2720,1395 3365,1400 3335,1430 3365,1430 1655,1825 1685,1825 1715,1825 2145,1825 2175,1825 2205,1825 1655,1850 1685,1850 1715,1850 2145,1850 2175,1850 2205,1850 3225,1910 3255,1910 3285,1910 3225,1935 3255,1935 3285,1935 4160,2525 1880,3115 1905,3115 1880,3145 1905,3145 1880,3175 1905,3175 5975,3320 1375,3325 1400,3325 5945,3350 5975,3350 1375,3355 1400,3355 3770,3360 3800,3360 3830,3360 1375,3385 1400,3385 3770,3390 3800,3390 3830,3390
  other v3: 5370,2105 5400,2105 5430,2105 5370,2130 5400,2130 5430,2130 6455,2215 6480,2215 6455,2245 6480,2245 6455,2275 6480,2275 3295,2545 3320,2545 3015,2565 3045,2565 3295,2570 3320,2570 3045,2595 3295,2595 3320,2595 4995,2665 5025,2665 5055,2665 6135,2675 6165,2675 6195,2675 4995,2690 5025,2690 5055,2690 6135,2700 6165,2700 6195,2700 5375,3070 5345,3100 5375,3100 4790,3200 4815,3200 4790,3230 4815,3230 4790,3260 4815,3260 5665,3305 6290,3305 5380,3315 5075,3320 5635,3335 5665,3335 6260,3335 6290,3335 5350,3345 5380,3345 5045,3350 5075,3350 4020,3430 4045,3430 4020,3460 4045,3460 4020,3490 4045,3490 3655,4090 3685,4090 3715,4090 3655,4115 3685,4115 3715,4115
  other v4: 3150,2225
JS1_A: J1.1 U1.81 | length 2111.5
  Top Layer w10: U1.81@3942.8,2607.24 3942.8,2448.7 3914.1,2420 3885,2420 3865,2400 3865,2210 3896.75,2178.25 4021.75,2178.25 4050,2150 4050,2065 4065,2050 4200,2050 4215,2035 4630,2035 4750,1915 5085,1915 5225,1775 J1.1@5300,1775
JS1_B: J1.2 U1.82 | length 2172.6
  Top Layer w10: U1.82@3923.11,2607.24 3923.11,2458.11 3905,2440 3875,2440 3845,2410 3845,2201.72 3886.72,2160 4000,2160 v1(4020,2140) ; v1(4232.5,2007.5) 4235,2005 4631.72,2005 4741.72,1895 5080,1895 5210,1765 5210,1685 J1.2@5260,1635
  Bottom Layer w10: v1(4020,2140) 4040,2120 4040,2085 4117.5,2007.5 v1(4232.5,2007.5)
JS1_C: J1.3 U1.95 | length 2296.8
  Top Layer w10: U1.95@3667.2,2607.24 3667.2,2557.8 3690,2535 3750,2535 3785,2500 3785,2176.86 3868.43,2093.43 3926.57,2093.43 v1(3935,2085) ; v1@4240,1905 4260,1925 4633.93,1925 4723.93,1835 4920,1835 5230,1525 J1.3@5300,1525
  Bottom Layer w10: v1(3935,2085) 3936.75,2083.25 3961.75,2083.25 4095,1950 4190,1950 v1@4225,1915
  other v1: 4230,1905
JS1_CENTER: J1.4 U1.85 | length 2628.8
  Top Layer w10: U1.85@3864.06,2607.24 3864.06,2519.06 3840,2495 3840,2465 3805,2430 3805,2185.15 3875,2115.15 3964.85,2115.15 v1(3970,2110) ; v1(4235,1945) 4642.22,1945 4732.22,1855 4955,1855 5245,1565 5635,1565 5675,1525 J1.4@5700,1525
  Bottom Layer w10: v1@3980,2110 v1(3970,2110) 3970,2100 4100,1970 4200,1970 4220,1950 v1@4235,1950